# Allegro board SDHCalFEB.brd (continued)
## Routing (per net, layer and track width the routed paths; a pad name or vN(x,y) marks a point on that pad's centre or on a via; arc(x,y) is an arc through that point) (continued)
  SIG2 w0.127: v1(390.5,110.34) 390.5,110.85 393.58,113.92 v1(394.75,113.92)
SR_RSTB_A: length 360.1
  TOP w0.127: v2(236.5,307.27) U130.115 ; v2(75.74,307.27) U260.115 ; J35.A17 v1(394.95,246.51) ; U195.115 154.57,307.27 v2(155.75,307.27) ; U65.115 v2(313.41,307.27)
  GND1 w0.127: v2(313.41,307.27) v3(312.67,307.27) ; v3(156.49,307.27) v2(155.75,307.27) ; v2(236.5,307.27) v3(237.24,307.27) ; v3(76.48,307.27) v2(75.74,307.27)
  SIG1 w0.127: v3(312.67,307.27) 321.91,307.27 322.02,307.16 330.48,307.16 331.6,306.04 335.13,306.04 348.77,292.4 348.77,280.39 382.07,247.09 394.36,247.09 v1(394.95,246.51)
  SIG2 w0.127: v3(312.67,307.27) v3(237.24,307.27) v3(156.49,307.27) v3(76.48,307.27)
SR_RSTB_B: length 333
  TOP w0.127: U325.115 v2(313.41,227.26) ; U390.115 v2(235.76,227.26) ; J35.A1 v1(394.75,226.19) ; U455.115 v2(156.97,227.26) ; U520.115 v2(75.74,227.26)
  GND1 w0.127: v2(313.41,227.26) v3(312.68,227.26) ; v2(156.97,227.26) v3(157.71,227.26) ; v2(75.74,227.26) v3(76.48,227.26) ; v2(235.76,227.26) v3(236.5,227.26)
  SIG1 w0.127: v3(312.68,227.26) 353.84,227.26 359.71,221.39 373.51,221.39 377.39,225.27 393.84,225.27 v1(394.75,226.19)
  SIG2 w0.127: v3(76.48,227.26) 77.03,227.26 v3(157.71,227.26) v3(236.5,227.26) 262.41,227.26 263.14,227.99 310.36,227.99 311.09,227.26 v3(312.68,227.26)
SR_RSTB_C: length 341.4
  TOP w0.127: U585.115 v2(313.41,147.25) ; U715.115 v2(155.75,147.25) ; J34.A17 v1(394.75,182.76) ; U650.115 v2(235.76,147.25) ; U780.115 v2(77.67,147.25)
  GND1 w0.127: v2(313.41,147.25) v3(312.68,147.25) ; v2(77.67,147.25) v3(78.41,147.25) ; v2(155.75,147.25) v3(156.49,147.25) ; v2(235.76,147.25) v3(236.5,147.25)
  SIG1 w0.127: v1(394.75,182.76) 394.14,182.14 381.18,182.14 348.49,149.45 334.61,149.45 v3(332.41,147.25)
  SIG2 w0.127: v3(78.41,147.25) 100.92,147.25 100.93,147.26 101.41,147.26 101.41,147.25 v3(156.49,147.25) v3(236.5,147.25) v3(312.68,147.25) v3(332.41,147.25)
SR_RSTB_D: length 355.6
  TOP w0.127: J33.A25 v1(394.75,129.16) ; U1040.115 v2(75.74,67.24) ; U910.115 v2(235.76,67.24) ; U845.115 v2(312.19,67.24) ; U975.115 v2(155.75,67.24)
  GND1 w0.127: v2(155.75,67.24) v3(156.49,67.24) ; v2(235.76,67.24) v3(236.5,67.24) ; v2(312.19,67.24) v3(311.45,67.24) ; v2(75.74,67.24) v3(76.48,67.24)
  SIG1 w0.127: v3(311.45,67.24) 322.15,67.24 350.44,95.53 350.44,99.01 379.96,128.52 394.12,128.52 v1(394.75,129.16)
  SIG2 w0.127: v3(76.48,67.24) v3(156.49,67.24) v3(236.5,67.24) v3(311.45,67.24)
SR_RSTB_E: length 101.4
  TOP w0.127: R1343.2 v1(356.51,30.43) ; J33.B10 v1(391.92,110.11)
  SIG1 w0.127: v1(391.92,110.11) 391.75,110.11 390.93,109.3 390.93,106.68 387.25,103 387.25,101.54 385.85,100.15 385.85,98.2 379.07,91.41 371.12,91.41 355.55,75.84 355.55,31.39 v1(356.51,30.43)
STARTACQ_A: length 366.8
  TOP w0.127: v2(153.39,292.32) 154.57,292.32 U195.92 ; v2(233.4,292.32) U130.92 ; J35.A9 v1(394.75,236.35) ; U65.92 v2(315.77,292.32) ; v2(73.38,292.32) U260.92
  GND1 w0.127: v2(233.4,292.32) v3(234.14,292.32) ; v3(315.04,292.32) v2(315.77,292.32) ; v3(154.13,292.32) v2(153.39,292.32) ; v2(73.38,292.32) v3(74.12,292.32)
  SIG1 w0.127: v1(394.75,236.35) 394.14,235.74 370.76,235.74 340.39,266.12 340.39,275.59 323.65,292.32 v3(315.04,292.32)
  SIG2 w0.127: v3(315.04,292.32) 314.33,291.62 305.1,291.62 302.64,289.15 281.89,289.15 278.82,286.08 253.92,286.08 249.53,290.47 242.29,290.47 240.97,291.8 237.11,291.8 236.58,292.32 v3(234.14,292.32) 232.73,292.32 232,291.59 196.57,291.59 194.89,293.27 189.13,293.27 187.45,291.59 157.35,291.59 156.63,292.32 v3(154.13,292.32) 153.08,292.32 152.39,291.63 127.87,291.63 126.95,290.7 81.86,290.7 80.85,291.72 74.72,291.72 v3(74.12,292.32)
STARTACQ_B: length 336.4
  TOP w0.127: U455.92 154.57,212.31 v2(155.75,212.31) ; U520.92 v2(75.74,212.31) ; U325.92 v2(315.77,212.31) ; U390.92 234.58,212.31 v2(235.76,212.31) ; J34.A27 v1(394.75,195.46)
  GND1 w0.127: v2(315.77,212.31) v3(316.51,212.31) ; v2(75.74,212.31) v3(76.48,212.31) ; v2(155.75,212.31) v3(156.49,212.31) ; v2(235.76,212.31) v3(236.5,212.31)
  SIG1 w0.127: v3(316.51,212.31) 329.63,212.31 334.61,207.33 366.92,207.33 378.18,196.06 394.14,196.06 v1(394.75,195.46)
  SIG2 w0.127: v3(316.51,212.31) 315,212.31 314.17,211.48 288.87,211.48 287.81,210.41 243.54,210.41 241.64,212.31 v3(236.5,212.31) 235.17,212.31 234.44,211.58 161.77,211.58 161.05,212.31 v3(156.49,212.31) 155.31,212.31 154.63,211.63 81.41,211.63 80.73,212.31 v3(76.48,212.31)
STARTACQ_C: length 337
  TOP w0.127: J33.A39 v1(394.75,146.94) ; v2(315.78,132.3) U585.92 ; U650.92 v2(235.76,132.3) ; U715.92 v2(155.75,132.3) ; U780.92 v2(75.74,132.3)
  GND1 w0.127: v2(315.78,132.3) v3(316.51,132.3) ; v2(75.74,132.3) v3(76.48,132.3) ; v2(235.76,132.3) v3(236.5,132.3) ; v2(155.75,132.3) v3(156.49,132.3)
  SIG1 w0.127: v1(394.75,146.94) 394.14,146.33 372.06,146.33 363.09,137.36 350.55,137.36 346.74,133.55 327,133.55 324.69,131.24 320.78,131.24 319.72,132.3 v3(316.51,132.3)
  SIG2 w0.127: v3(316.51,132.3) 314.72,132.3 314.05,131.63 292.82,131.63 292.15,130.96 242.34,130.96 241,132.3 v3(236.5,132.3) 234.92,132.3 234.19,131.57 208.61,131.57 207.95,130.91 162.46,130.91 161.07,132.3 v3(156.49,132.3) 154.86,132.3 154.13,131.57 128.42,131.57 127.84,130.99 82.19,130.99 80.88,132.3 v3(76.48,132.3)
STARTACQ_D: length 363
  TOP w0.127: U975.92 v2(155.75,52.29) ; U1040.92 v2(75.74,52.29) ; U910.92 v2(235.76,52.29) ; U845.92 v2(315.78,52.29) ; J33.A17 v1(394.75,119)
  GND1 w0.127: v2(155.75,52.29) v3(156.49,52.29) ; v2(75.74,52.29) v3(76.48,52.29) ; v2(235.76,52.29) v3(236.5,52.29) ; v2(315.78,52.29) v3(316.51,52.29)
  SIG1 w0.127: v1(394.75,119) 394.14,118.39 378.56,118.39 355.9,95.73 355.9,83.74 327.79,55.63 322.02,55.63 318.68,52.29 v3(316.51,52.29)
  SIG2 w0.127: v3(76.48,52.29) 78.29,52.29 78.95,51.63 153.96,51.63 154.63,52.29 v3(156.49,52.29) 158.33,52.29 159,51.61 234.39,51.61 235.07,52.29 v3(236.5,52.29) 239.68,52.29 240.34,51.63 314.7,51.63 315.36,52.29 v3(316.51,52.29)
STARTACQ_E: length 95.2
  TOP w0.127: J33.B2 v1(391.92,99.95) ; R1342.2 v1(356.51,26.62)
  SIG1 w0.127: v1(391.92,99.95) 390.96,99.95 379.76,88.75 371.04,88.75 358.27,75.97 358.27,28.37 v1(356.51,26.62)
STARTREADOUT1_A: length 113.4
  TOP w0.127: TP3.1 316.55,304.02 v2(315.77,304.02) U65.110 ; J35.A15 v1(394.75,243.97)
  GND1 w0.127: v2(315.77,304.02) v3(315.04,304.02)
  SIG1 w0.127: v3(315.04,304.02) 317.81,304.02 319.15,305.36 326.95,305.36 337.74,294.56 338.84,294.56 346.13,287.27 346.13,280.14 381.61,244.65 394.07,244.65 v1(394.75,243.97)
STARTREADOUT1_B: length 91.6
  TOP w0.127: J34.A35 v1(394.75,205.62) ; U325.110 v2(315.77,224.01) 317.32,224.01 TP45.1
  GND1 w0.127: v2(315.77,224.01) v3(315.04,224.01)
  SIG1 w0.127: v1(394.75,205.62) 394.73,205.62 394.15,206.2 375.92,206.2 362.71,219.41 358.75,219.41 354.15,224.01 v3(315.04,224.01)
STARTREADOUT1_C: length 98
  TOP w0.127: J34.A15 v1(394.75,180.22) ; TP89.1 317.14,144 v2(315.78,144) U585.110
  GND1 w0.127: v2(315.78,144) v3(316.51,144)
  SIG1 w0.127: v1(394.75,180.22) 394.12,179.58 382.96,179.58 346.58,143.21 v3(331.44,143.21)
  SIG2 w0.127: v3(316.51,144) 330.65,144 v3(331.44,143.21)
STARTREADOUT1_D: length 111.5
  TOP w0.127: TP135.1 316.89,63.99 v2(315.78,63.99) U845.110 ; J33.A23 v1(394.75,126.62)
  GND1 w0.127: v2(315.78,63.99) v3(316.51,63.99)
  SIG1 w0.127: v1(394.75,126.62) 394.14,126.01 379.3,126.01 351.74,98.45 351.74,92.51 325.2,65.96 321.82,65.96 319.84,63.99 v3(316.51,63.99)
STARTREADOUT1_E: length 3.6
  TOP w0.127: J33.B8 389.46,107.57 R1339.2
STARTREADOUT2_A: length 113.3
  TOP w0.127: U65.111 v2(313.39,304.67) ; J35.B16 v1(391.72,245.24)
  GND1 w0.127: v2(313.39,304.67) v3(312.4,304.67)
  SIG1 w0.127: v3(312.4,304.67) 317.16,304.67 318.49,305.99 330.51,305.99 347.35,289.15 347.35,280.44 382.55,245.24 v1(391.72,245.24)
STARTREADOUT2_B: length 93.3
  TOP w0.127: U325.111 314.59,224.66 v2(311.79,224.66) ; J34.B36 v1(391.92,206.89)
  GND1 w0.127: v3(311.05,224.66) v2(311.79,224.66)
  SIG1 w0.127: v1(391.92,206.89) 376.5,206.89 362.99,220.4 359.28,220.4 354.16,225.51 322.31,225.51 321.46,224.66 v3(311.05,224.66)
STARTREADOUT2_C: length 97.2
  TOP w0.127: J34.B16 v1(391.8,181.49) ; U585.111 v2(313.41,144.65)
  GND1 w0.127: v3(312.68,144.65) v2(313.41,144.65)
  SIG1 w0.127: v3(331.19,146.43) 334.59,146.43 336.12,147.96 348.39,147.96 381.92,181.49 v1(391.8,181.49)
  SIG2 w0.127: v3(312.68,144.65) 317.55,144.65 319.33,146.43 v3(331.19,146.43)
STARTREADOUT2_D: length 112.8
  TOP w0.127: J33.B24 v1(391.92,127.89) ; U845.111 v2(312.22,64.64)
  GND1 w0.127: v2(312.22,64.64) v3(311.48,64.64)
  SIG1 w0.127: v1(391.92,127.89) 380.34,127.89 351.03,98.58 351.03,94.69 322.86,66.52 321.44,66.52 319.55,64.64 v3(311.48,64.64)
STARTREADOUT2_E: length 6.7
  TOP w0.127: R1340.2 v1(389.99,108.84) ; J33.A9 393.97,108.84 v1(394.75,108.84)
  SIG2 w0.127: v1(389.99,108.84) 390.52,109.37 394.21,109.37 394.74,108.84 v1(394.75,108.84)
T&H_A1: length 15
  TOP w0.127: v1(352.44,329.54) 352.44,329.54 U1058.2 ; U1078.1 v1(343.48,326.39)
  TOP w0.254: U1078.1 343.48,324.78 342.41,323.71 R2557.1
  SIG2 w0.127: v1(343.48,326.39) 345.92,328.83 351.62,328.83 352.33,329.54 v1(352.44,329.54)
T&H_A2: length 10.4
  TOP w0.127: U1078.7 v1(347.38,326.34) ; v1(352.44,327.99) U1058.9
  TOP w0.254: R2559.1 348.45,323.69 347.38,324.76 U1078.7
  SIG2 w0.127: v1(352.44,327.99) 350.79,326.34 v1(347.38,326.34)
T&H_A3: length 9
  TOP w0.127: U1058.4 v1(351.44,329.54) ; U1078.8 v1(347.38,330.58)
  TOP w0.254: R2561.1 348.24,333.05 347.38,332.19 U1078.8
  SIG2 w0.127: v1(351.44,329.54) 351.44,329.58 350.45,330.58 v1(347.38,330.58)
T&H_A4: length 13.5
  TOP w0.127: U1058.7 351.44,327.75 350.6,328.6 345.36,328.6 343.48,330.48 U1078.14
  TOP w0.254: U1078.14 343.48,332.21 342.61,333.08 R2563.1
T&H_B1: length 13.9
  TOP w0.127: U1079.1 v1(347.8,242.44) ; v1(355.82,245.39) U1062.2
  TOP w0.254: U1079.1 347.8,240.81 346.73,239.74 R2565.1
  BOTTOM w0.127: v1(347.8,242.44) 347.8,242.44 349.91,244.55 354.98,244.55 v1(355.82,245.39)
T&H_B2: length 9.3
  TOP w0.127: v1(355.82,243.84) U1062.9 ; v1(351.69,242.44) 351.69,242.32 351.7,242.31 U1079.7
  TOP w0.254: U1079.7 351.7,240.86 352.77,239.79 R2567.1
  BOTTOM w0.127: v1(355.82,243.84) 353.09,243.84 v1(351.69,242.44)
T&H_B3: length 8.4
  TOP w0.127: v1(354.82,245.39) U1062.4 ; U1079.8 v1(351.7,246.68)
  TOP w0.254: R2569.1 352.56,249.59 351.7,248.73 U1079.8
  BOTTOM w0.127: v1(351.7,246.68) 352.99,245.39 v1(354.82,245.39)
T&H_B4: length 12.8
  TOP w0.127: U1062.7 354.82,243.86 353.67,245.01 349.81,245.01 347.8,247.02 U1079.14
  TOP w0.254: R2571.1 346.93,249.62 347.8,248.75 U1079.14
T&H_C1: length 14.1
  TOP w0.127: v1(356.18,214.3) U1065.2 ; U1080.1 v1(348.05,211.3)
  TOP w0.254: R2573.1 346.95,208.55 348.05,209.65 U1080.1
  BOTTOM w0.127: v1(356.18,214.3) 354.88,213 349.76,213 v1(348.05,211.3)
T&H_C2: length 9.4
  TOP w0.127: v1(356.18,212.75) U1065.9 ; U1080.7 v1(351.95,211.3)
  TOP w0.254: U1080.7 351.95,209.69 353.02,208.63 R2575.1
  BOTTOM w0.127: v1(356.18,212.75) 354.72,211.3 v1(351.95,211.3)
T&H_C3: length 8.3
  TOP w0.127: U1080.8 v1(351.95,215.54) ; v1(355.18,214.3) U1065.4
  TOP w0.254: R2577.1 352.82,218.27 351.95,217.41 U1080.8
  BOTTOM w0.127: v1(355.18,214.3) 353.19,214.3 v1(351.95,215.54)
T&H_C4: length 13
  TOP w0.127: U1080.14 348.05,215.12 349.3,213.87 353.8,213.87 355.18,212.49 U1065.7
  TOP w0.254: U1080.14 348.05,217.43 347.18,218.3 R2579.1
T&H_D1: length 14.1
  TOP w0.127: v1(356.36,118.21) U1069.2 ; U1081.1 353.51,109.48 v1(352.73,110.26)
  TOP w0.254: U1081.1 353.95,109.09 353.95,107.56 R2581.1
  SIG2 w0.127: v1(352.73,110.26) 352.73,110.26 352.73,113.11 356.36,116.74 v1(356.36,118.21)
T&H_D2: length 9.5
  TOP w0.127: v1(355.51,113.04) 355.52,113.04 U1081.7 ; v1(357.46,117.12) U1069.9
  TOP w0.254: U1081.7 356.67,111.89 358.22,111.89 R2583.1
  SIG2 w0.127: v1(357.46,117.12) 357.46,114.99 v1(355.51,113.04)
T&H_D3: length 8.3
  TOP w0.127: v1(352.53,116.05) 351.74,116.84 U1081.8 ; v1(355.66,117.51) U1069.4
  TOP w0.254: R2585.1 351.21,118.58 351.21,117.35 U1081.8
  SIG2 w0.127: v1(352.53,116.05) 353.99,117.51 v1(355.66,117.51)
T&H_D4: length 12.8
  TOP w0.127: U1069.7 356.91,116.26 355.83,116.26 352.76,113.18 349.86,113.18 348.96,114.08 U1081.14
  TOP w0.254: U1081.14 348.49,114.55 347.25,114.55 R2587.1
TRANSMITON1B_A: length 359.7
  TOP w0.127: U130.106 234.58,301.42 v2(233.4,301.42) ; U65.106 v2(315.77,301.42) ; v2(153.39,301.42) 154.57,301.42 U195.106 ; J35.B12 v1(391.92,240.16) ; U260.106 v2(73.38,301.42)
  TOP w0.508: v1(391.92,240.16) 391.92,240.16 R81.2
  GND1 w0.127: v3(234.14,301.42) v2(233.4,301.42) ; v2(153.39,301.42) v3(152.65,301.42) ; v2(73.38,301.42) v3(72.64,301.42) ; v2(315.77,301.42) v3(315.04,301.42)
  SIG1 w0.127: v3(315.04,301.42) 318.18,301.42 318.92,302.16 320.17,302.16 381.18,241.15 390.93,241.15 v1(391.92,240.16)
  SIG2 w0.127: v3(72.64,301.42) 79.2,301.42 80.57,300.05 122.96,300.05 123.7,300.79 127,300.79 127.51,300.28 143.81,300.28 144.96,301.42 v3(152.65,301.42) 157.08,301.42 157.76,300.74 180.19,300.74 180.85,300.08 204.04,300.08 204.72,300.76 231.67,300.76 232.33,301.42 v3(234.14,301.42) 237.39,301.42 238.43,300.38 260.15,300.38 261.11,299.42 310.95,299.42 312.95,301.42 v3(315.04,301.42)
TRANSMITON1B_B: length 341.6
  TOP w0.127: U520.106 v2(73.38,221.41) ; U390.106 v2(233.4,221.41) ; J34.B32 v1(391.92,201.81) ; U325.106 v2(315.77,221.41) ; U455.106 v2(153.39,221.41)
  TOP w0.508: v1(391.92,201.81) 390.35,201.81 R414.2
  GND1 w0.127: v2(315.77,221.41) v3(316.51,221.41) ; v2(233.4,221.41) v3(234.14,221.41) ; v2(73.38,221.41) v3(72.64,221.41) ; v2(153.39,221.41) v3(154.13,221.41)
  SIG1 w0.127: v3(316.51,221.41) 318.01,221.41 318.56,221.96 321.52,221.96 322.35,221.13 346.61,221.13 347.07,220.68 353.9,220.68 357.96,216.61 362.23,216.61 376.22,202.62 391.11,202.62 v1(391.92,201.81)
  SIG2 w0.127: v3(72.64,221.41) 79.05,221.41 79.76,220.7 96.9,220.7 97.46,220.14 123.57,220.14 124.23,220.8 151.61,220.8 152.22,221.41 v3(154.13,221.41) 158.91,221.41 160.25,220.07 203.45,220.07 204.17,220.78 231.67,220.78 232.31,221.41 v3(234.14,221.41) 239.5,221.41 240.61,220.29 270.84,220.29 271.61,219.52 311.98,219.52 313.87,221.41 v3(316.51,221.41)
TRANSMITON1B_C: length 349.8
  TOP w0.127: U585.106 v2(316.76,141.4) ; U780.106 v2(73.38,141.4) ; U715.106 v2(155.75,141.4) ; U650.106 v2(235.76,141.4) ; J34.B12 v1(391.92,176.41)
  TOP w0.508: v1(391.92,176.41) 391.92,176.4 R747.2
  GND1 w0.127: v2(235.76,141.4) v3(236.5,141.4) ; v2(316.76,141.4) v3(317.5,141.4) ; v2(155.75,141.4) v3(156.49,141.4) ; v2(73.38,141.4) v3(74.12,141.4)
  SIG1 w0.127: v3(332.74,137.95) 335.38,140.59 350.34,140.59 385.42,175.67 391.18,175.67 v1(391.92,176.41)
  SIG2 w0.127: v3(74.12,141.4) 79.12,141.4 80.42,140.11 123.75,140.11 124.36,140.72 151.74,140.72 152.42,141.4 v3(156.49,141.4) 161.01,141.4 161.72,140.69 191.01,140.69 191.59,140.11 203.78,140.11 204.37,140.69 232.03,140.69 232.74,141.4 v3(236.5,141.4) 239.35,141.4 240.13,140.61 256.16,140.61 257.25,139.53 311.87,139.53 313.74,141.4 v3(317.5,141.4) 317.5,141.4 320.95,137.95 v3(332.74,137.95)
TRANSMITON1B_D: length 362.3
  TOP w0.127: U975.106 v2(153.39,61.39) ; J33.B20 v1(391.92,122.81) ; U1040.106 v2(73.38,61.39) ; U910.106 v2(233.4,61.39) ; U845.106 v2(315.78,61.39)
  TOP w0.508: v1(391.92,122.81) 391.91,122.82 R1080.2
  GND1 w0.127: v2(315.78,61.39) v3(316.51,61.39) ; v2(233.4,61.39) v3(234.14,61.39) ; v2(153.39,61.39) v3(154.13,61.39) ; v2(73.38,61.39) v3(74.12,61.39)
  SIG1 w0.127: v3(316.51,61.39) 328.11,61.39 353.77,87.05 353.77,97.28 379.3,122.81 v1(391.92,122.81)
  SIG2 w0.127: v3(316.51,61.39) 313.23,61.39 312.5,60.66 284.74,60.66 284.18,60.1 239.37,60.1 238.08,61.39 v3(234.14,61.39) 232.76,61.39 232.1,60.73 204.52,60.73 203.86,60.07 159.74,60.07 158.42,61.39 v3(154.13,61.39) 153.31,61.39 152.65,60.73 124.36,60.73 123.7,60.07 79.04,60.07 77.73,61.39 v3(74.12,61.39)
TRANSMITON1B_E: length 1.7
  TOP w0.127: J33.A5 v1(394.75,103.76)
  BOTTOM w0.127: R1335.1 395.7,103.76 v1(394.75,103.76)
TRANSMITON2B_A: length 363.5
  TOP w0.127: U260.107 v2(75.74,302.07) ; U130.107 237.87,302.07 v2(237.87,302.07) ; v2(156.92,302.07) 154.57,302.07 U195.107 ; J35.A13 v1(394.75,241.43) ; U65.107 v2(313.41,302.07)
  GND1 w0.127: v3(238.61,302.07) 238.4,302.07 237.95,302.07 237.95,302.07 v2(237.87,302.07) ; v2(75.74,302.07) v3(76.48,302.07) ; v3(157.66,302.07) v2(156.92,302.07) ; v2(313.41,302.07) v3(314.15,302.07)
  SIG1 w0.127: v1(394.75,241.43) 394.12,242.06 381.53,242.06 344.07,279.53 344.07,282.63 323.75,302.95 318.59,302.95 317.72,302.07 v3(314.15,302.07)
  SIG2 w0.127: v3(314.15,302.07) 312.61,302.07 311.28,300.74 284.18,300.74 283.57,300.13 261.57,300.13 260.39,301.31 239.37,301.31 v3(238.61,302.07) 232.35,302.07 231.67,301.4 209.88,301.4 209.25,302.03 202.77,302.03 201.63,300.89 181.12,300.89 180.52,301.5 159.41,301.5 158.84,302.07 v3(157.66,302.07) 144.51,302.07 143.51,301.07 127.53,301.07 126.26,302.34 120.68,302.34 119.58,301.24 110.8,301.24 109.97,302.07 v3(76.48,302.07)
  BOTTOM w0.508: R82.2 395.7,241.43 v1(394.75,241.43)
TRANSMITON2B_B: length 343.7
  TOP w0.127: U455.107 v2(155.75,222.06) ; v2(238,222.06) U390.107 ; U325.107 v2(313.41,222.06) ; J34.A33 v1(394.75,203.08) ; U520.107 v2(75.74,222.06)
  GND1 w0.127: v2(238,222.06) v3(238.73,222.06) ; v2(75.74,222.06) v3(76.48,222.06) ; v2(313.41,222.06) v3(314.15,222.06) ; v2(155.75,222.06) v3(156.49,222.06)
  SIG1 w0.127: v3(314.15,222.06) 317.64,222.06 318.35,222.77 353.02,222.77 358.29,217.5 362.33,217.5 376.12,203.71 394.12,203.71 v1(394.75,203.08)
  SIG2 w0.127: v3(314.15,222.06) 313.3,222.06 311.99,220.75 284.3,220.75 283.64,220.09 281.31,220.09 280.5,220.89 241.08,220.89 239.92,222.06 v3(238.73,222.06) 232.35,222.06 231.78,221.49 210.54,221.49 209.78,222.25 200.28,222.25 198.7,220.68 160.68,220.68 159.3,222.06 v3(156.49,222.06) 152.41,222.06 152.1,222.38 144.98,222.38 144.04,221.44 127.18,221.44 126.34,222.28 120.85,222.28 119.47,220.89 97.93,220.89 96.76,222.06 v3(76.48,222.06)
  BOTTOM w0.508: R415.2 395.7,203.08 v1(394.75,203.08)
TRANSMITON2B_C: length 355.4
  TOP w0.127: J34.A13 v1(394.75,177.68) ; U585.107 v2(313.41,142.05) ; U715.107 v2(157.35,142.05) ; U780.107 v2(75.74,142.05) ; v2(239.57,142.05) U650.107
  GND1 w0.127: v2(239.57,142.05) v3(240.31,142.05) ; v2(313.41,142.05) v3(314.15,142.05) ; v2(157.35,142.05) v3(158.09,142.05) ; v2(75.74,142.05) v3(76.48,142.05)
  SIG1 w0.127: v3(329.77,138.68) 332.16,141.07 349.45,141.07 385.42,177.04 394.12,177.04 v1(394.75,177.68)
  SIG2 w0.127: v3(76.48,142.05) 79.44,142.05 80.6,140.89 117.55,140.89 118.92,142.27 125.86,142.27 126.67,141.45 151.74,141.45 152.34,142.05 v3(158.09,142.05) 190.49,142.05 191.47,141.07 198.5,141.07 199.69,142.27 207.52,142.27 208.43,141.35 231.93,141.35 232.63,142.05 v3(240.31,142.05) 240.32,142.05 241.15,141.22 256.46,141.22 257.56,140.13 284.12,140.13 284.76,140.77 311.84,140.77 313.12,142.05 v3(314.15,142.05) 319.98,142.05 323.34,138.68 v3(329.77,138.68)
  BOTTOM w0.508: v1(394.75,177.68) 394.75,177.67 R748.2
TRANSMITON2B_D: length 368.4
  TOP w0.127: J33.A21 v1(394.75,124.08) ; U845.107 v2(313.41,62.04) ; U1040.107 v2(77.39,62.04) ; U910.107 v2(237.46,62.04) ; U975.107 v2(157.23,62.04)
  GND1 w0.127: v2(157.23,62.04) v3(158.67,62.04) ; v2(77.39,62.04) v3(78.13,62.04) ; v2(237.46,62.04) v3(238.2,62.04) ; v2(313.41,62.04) v3(314.15,62.04)
  SIG1 w0.127: v3(314.15,62.04) 321.35,62.04 323.37,64.06 329.84,64.06 353.01,87.22 353.01,97.54 378.97,123.49 394.17,123.49 v1(394.75,124.08)
  SIG2 w0.127: v3(314.15,62.04) 312.92,62.04 312.27,61.39 288.39,61.39 287.5,62.28 280.09,62.28 278.61,60.81 239.45,60.81 238.21,62.04 v3(238.2,62.04) 232.75,62.04 232.08,61.37 207.14,61.37 206.25,62.25 200.32,62.25 198.79,60.72 159.99,60.72 v3(158.67,62.04) 153.07,62.04 152.48,61.44 127.61,61.44 127.09,61.96 123.15,61.96 122,60.81 79.32,60.81 78.13,62 v3(78.13,62.04)
  BOTTOM w0.508: R1081.2 394.75,124.08 v1(394.75,124.08)
TRANSMITON2B_E: length 2.4
  TOP w0.127: J33.B6 392.7,105.03 R1336.1
TRIGEXT_A: length 361
  TOP w0.127: v2(155.75,288.42) 154.57,288.42 U195.86 ; J35.B8 v1(391.85,235.08) ; U260.86 v2(75.74,288.42) ; U65.86 v2(315.77,288.42) ; v2(233.4,288.42) U130.86
  GND1 w0.127: v2(315.77,288.42) v3(316.51,288.42) ; v2(75.74,288.42) v3(76.48,288.42) ; v2(233.4,288.42) 232.96,288.42 232.95,288.42 232.87,288.42 232.87,288.42 v3(232.66,288.42) ; v3(156.49,288.42) v2(155.75,288.42)
  SIG1 w0.127: v1(391.85,235.08) 369.97,235.08 356.01,249.05 354.05,249.05 339.12,263.98 339.12,275.08 326.44,287.76 317.17,287.76 v3(316.51,288.42)
  SIG2 w0.127: v3(316.51,288.42) 308.11,288.42 305.49,285.8 292.02,285.8 288.9,282.68 269.32,282.68 268.1,281.46 246.51,281.46 239.55,288.42 v3(232.66,288.42) 209.5,288.42 208.2,287.12 203.58,287.12 202.28,288.42 v3(156.49,288.42) 131.32,288.42 129.95,287.05 123.65,287.05 122.94,287.76 105.82,287.76 105.21,287.15 79.91,287.15 78.63,288.42 v3(76.48,288.42)
TRIGEXT_B: length 341.6
  TOP w0.127: U390.86 v2(237.29,208.41) ; U455.86 v2(157.23,208.41) ; J34.A26 v1(394.75,194.19) ; U325.86 v2(316.33,208.41) ; U520.86 v2(77.22,208.41)
  GND1 w0.127: v2(77.22,208.41) v3(77.95,208.41) ; v2(316.33,208.41) v3(317.07,208.41) ; v2(237.29,208.41) v3(238.02,208.41) ; v2(157.23,208.41) v3(157.96,208.41)
  SIG1 w0.127: v3(317.07,208.41) 320.63,204.85 367.84,204.85 377.82,194.87 394.07,194.87 v1(394.75,194.19)
  SIG2 w0.127: v3(317.07,208.41) 292.08,208.41 288.82,205.16 243.79,205.16 240.54,208.41 v3(238.02,208.41) 202.59,208.41 200.42,206.24 165.21,206.24 163.04,208.41 v3(157.96,208.41) 108.13,208.41 107.04,207.31 82.58,207.31 81.48,208.41 v3(77.95,208.41)
TRIGEXT_C: length 339.8
  TOP w0.127: U715.86 v2(155.75,128.4) ; U780.86 v2(77.52,128.4) ; v2(315.78,128.4) U585.86 ; U650.86 v2(237.67,128.4) ; J33.B38 v1(391.92,145.67)
  GND1 w0.127: v2(77.52,128.4) v3(78.26,128.4) ; v2(315.78,128.4) v3(315.04,128.4) ; v2(237.67,128.4) v3(238.4,128.4) ; v2(155.75,128.4) v3(155.02,128.4)
  SIG1 w0.127: v1(391.92,145.67) 373.71,145.67 362.36,134.32 352.07,134.32 346.76,129.01 344.93,129.01 343.87,127.94 328.14,127.94 327.68,128.4 v3(315.04,128.4)
  SIG2 w0.127: v3(78.26,128.4) 79.68,128.4 82.3,125.78 128.55,125.78 131.17,128.4 v3(155.02,128.4) 160.02,128.4 162.61,125.81 208.48,125.81 211.08,128.4 v3(238.4,128.4) 240.03,128.4 242.62,125.81 292.53,125.81 295.13,128.4 v3(315.04,128.4)
TRIGEXT_D: length 364.6
  TOP w0.127: U1040.86 v2(77.04,48.39) ; J33.B16 392.7,117.73 v1(391.92,117.73) ; U975.86 v2(157.43,48.39) ; U910.86 v2(237.44,48.39) ; U845.86 v2(315.78,48.39)
  GND1 w0.127: v2(237.44,48.39) v3(238.18,48.39) ; v2(157.43,48.39) v3(158.17,48.39) ; v2(315.78,48.39) v3(315.04,48.39) ; v2(77.04,48.39) v3(77.77,48.39)
  SIG1 w0.127: v3(315.04,48.39) 324.33,48.39 331.62,55.68 331.62,57.86 356.59,82.83 356.59,95.35 378.97,117.73 v1(391.92,117.73)
  SIG2 w0.127: v3(315.04,48.39) v3(238.18,48.39) v3(158.17,48.39) v3(77.77,48.39)
TRIGEXT_E: length 100.7
  TOP w0.127: R1341.2 v1(356.51,22.81) ; J33.A1 v1(394.75,98.68)
  SIG1 w0.127: v1(394.75,98.68) 393.84,97.76 390.14,97.76 379.88,87.5 370.94,87.5 359.11,75.67 359.11,25.4 v1(356.51,22.81)
V_BG_ASIC_A1: length 10.9
  TOP w0.305: v2(305.27,283.53) U65.70 305.27,280.58 C73.2 ; v2(307.24,277.75) R67.2
  GND1 w0.305: v2(305.27,283.53) v3(305.27,282.41) ; v2(307.24,277.75) v3(307.24,278.49)
  SIG3 w0.305: v3(307.24,278.49) 307.24,280.44 v3(305.27,282.41)
V_BG_ASIC_A2: length 11.1
  TOP w0.305: C160.2 225.26,280.46 U130.70 v2(225.26,283.53) ; v2(227.36,277.65) 227.36,278.58 R151.2
  GND1 w0.305: v3(227.36,278.38) v2(227.36,277.65) ; v2(225.26,283.53) v3(225.26,282.79)
  SIG2 w0.305: v3(227.36,278.38) 225.26,280.48 v3(225.26,282.79)
V_BG_ASIC_A3: length 11
  TOP w0.305: v2(145.25,283.53) U195.70 145.25,280.42 C247.2 ; R234.2 v2(147.25,277.7)
  GND1 w0.305: v2(147.25,277.7) v3(147.25,278.43) ; v2(145.25,283.53) v3(145.25,282.79)
  SIG3 w0.305: v3(147.25,278.43) 147.27,278.46 147.27,279.57 145.25,281.6 v3(145.25,282.79)
V_BG_ASIC_A4: length 11.1
  TOP w0.305: C334.2 65.24,280.6 U260.70 v2(65.24,283.53) ; v2(67.18,277.65) 67.18,278.61 R317.2
  GND1 w0.305: v2(65.24,283.53) v3(65.24,282.79) ; v3(67.18,278.38) v2(67.18,277.65)
  SIG3 w0.305: v3(67.18,278.38) 67.18,280.84 v3(65.24,282.79)
V_BG_ASIC_B1: length 11.2
  TOP w0.305: R400.2 307.27,197.57 v2(307.26,197.56) ; v2(305.27,203.52) U325.70 305.27,200.95 305.05,200.73 C421.2
  GND1 w0.305: v2(307.26,197.56) v3(307.26,198.3) ; v2(305.27,203.52) v3(305.27,202.78)
  SIG3 w0.305: v3(307.26,198.3) 305.27,200.29 v3(305.27,202.78)
V_BG_ASIC_B5: length 11
  TOP w0.305: C508.2 225.08,200.7 225.26,200.87 U390.70 v2(225.26,203.52) ; v2(227.33,197.66) 227.34,197.67 R484.2
  GND1 w0.305: v3(227.33,198.4) v2(227.33,197.66) ; v2(225.26,203.52) v3(225.26,202.78)
  SIG3 w0.305: v3(227.33,198.4) 225.26,200.47 v3(225.26,202.78)
V_BG_ASIC_B6: length 11
  TOP w0.305: v2(147.33,197.64) R567.2 ; C595.2 145.1,200.83 145.25,200.97 U455.70 v2(145.25,203.52)
  GND1 w0.305: v2(145.25,203.52) v3(145.25,202.78) ; v3(147.33,198.37) v2(147.33,197.64)
  SIG3 w0.305: v3(145.25,202.78) 145.25,200.46 v3(147.33,198.37)
